# KiCad board Panel.kicad_pcb (continued)
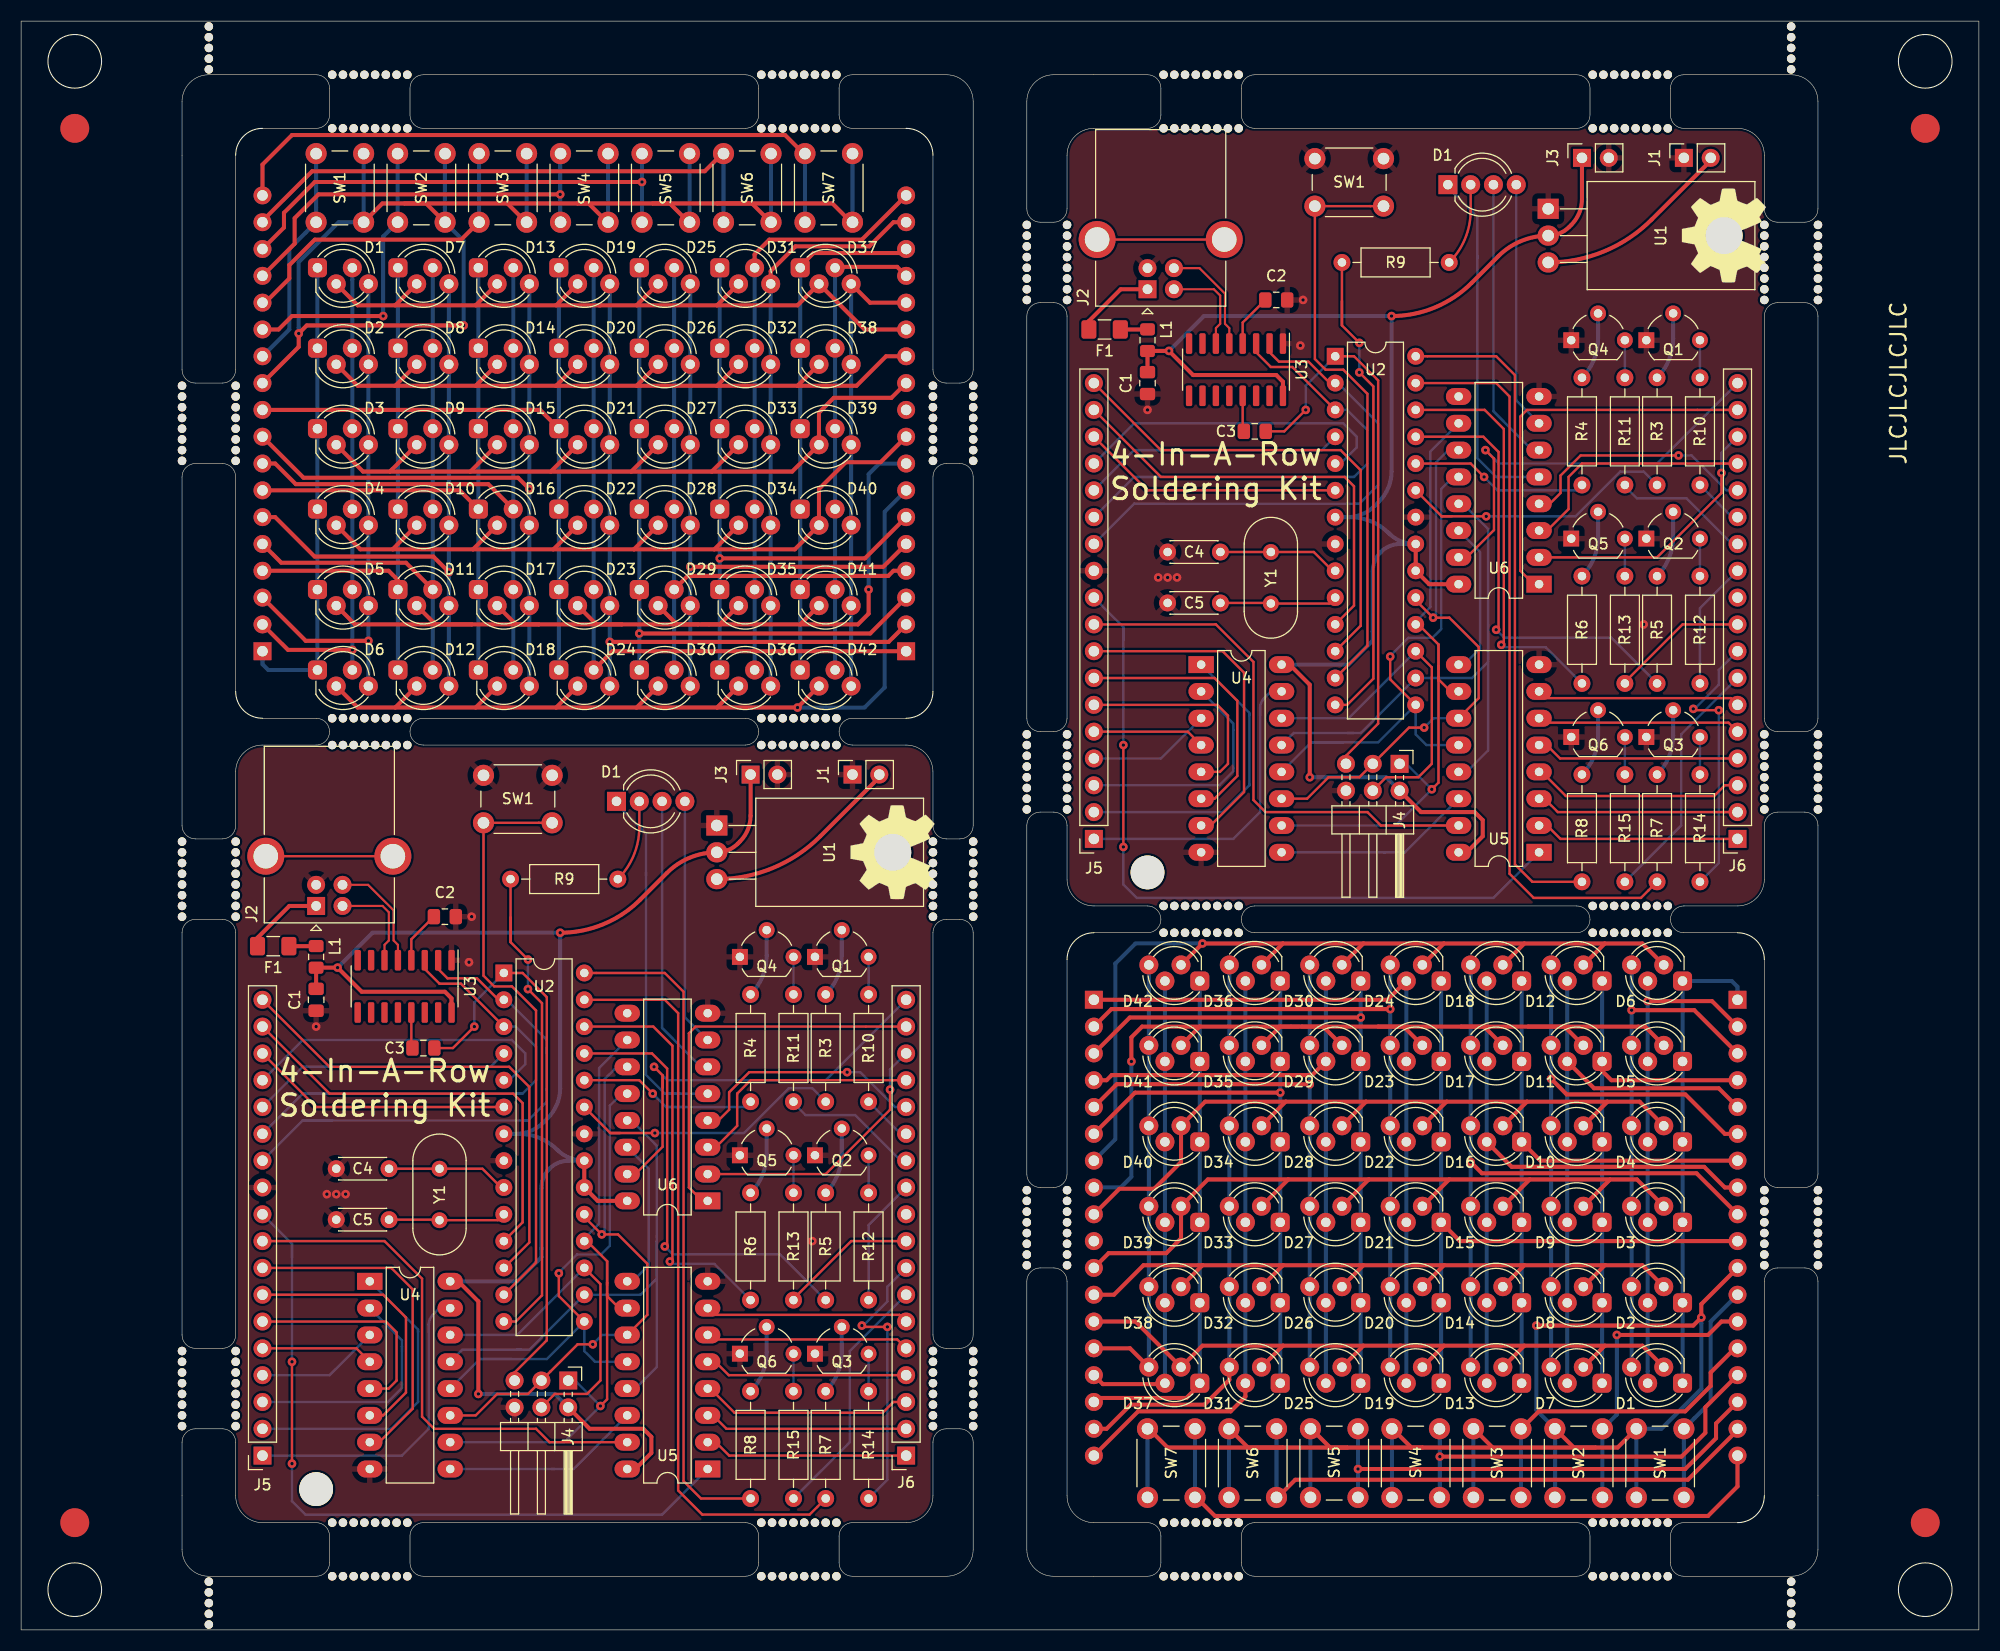
[diagram p0: board, top side]
## Placement (name value [footprint] x y rotation side) (continued)
REF**#142  -  [0.8mm-Drill]  15.24 74.68 90 top
REF**#143  -  [0.8mm-Drill]  113.28 147.32 0 top
REF**#144  -  [0.8mm-Drill]  75.18 10.16 0 top
REF**#145  -  [0.8mm-Drill]  73.15 147.32 0 top
REF**#146  -  [0.8mm-Drill]  70.1 86.36 0 top
REF**#147  -  [0.8mm-Drill]  74.17 5.08 0 top
REF**#148  -  [0.8mm-Drill]  86.36 74.68 90 top
REF**#149  -  [0.8mm-Drill]  30.48 5.08 0 top
REF**#150  -  [0.8mm-Drill]  111.25 66.04 0 top
REF**#151  -  [0.8mm-Drill]  150.88 10.16 0 top
REF**#152  -  [0.8mm-Drill]  154.94 5.08 0 top
REF**#153  -  [0.8mm-Drill]  111.25 68.58 0 top
REF**#154  -  [0.8mm-Drill]  111.25 147.32 0 top
REF**#155  -  [0.8mm-Drill]  114.3 10.16 0 top
REF**#156  -  [0.8mm-Drill]  113.28 68.58 0 top
REF**#157  -  [0.8mm-Drill]  75.18 147.32 0 top
REF**#158  -  [0.8mm-Drill]  20.32 23.37 90 top
REF**#159  -  [0.8mm-Drill]  170.18 125.98 90 top
REF**#160  -  [0.8mm-Drill]  149.86 5.08 0 top
REF**#161  -  [0.8mm-Drill]  72.14 83.82 0 top
REF**#162  -  [0.8mm-Drill]  99.06 80.77 90 top
REF**#163  -  [0.8mm-Drill]  90.17 24.38 90 top
REF**#164  -  [0.8mm-Drill]  76.2 86.36 0 top
REF**#165  -  [0.8mm-Drill]  165.1 125.98 90 top
REF**#166  -  [0.8mm-Drill]  15.24 117.86 90 top
REF**#167  -  [0.8mm-Drill]  31.5 86.36 0 top
REF**#168  -  [0.8mm-Drill]  33.53 10.16 0 top
REF**#169  -  [0.8mm-Drill]  165.1 34.54 90 top
REF**#170  -  [0.8mm-Drill]  70.1 147.32 0 top
REF**#171  -  [0.8mm-Drill]  86.36 115.82 90 top
REF**#172  -  [0.8mm-Drill]  99.06 131.06 90 top
REF**#173  -  [0.8mm-Drill]  15.24 19.3 90 top
REF**#174  -  [0.8mm-Drill]  112.27 5.08 0 top
REF**#175  -  [0.8mm-Drill]  36.58 86.36 0 top
REF**#176  -  [0.8mm-Drill]  151.89 5.08 0 top
REF**#177  -  [0.8mm-Drill]  155.96 68.58 0 top
REF**#178  -  [0.8mm-Drill]  30.48 83.82 0 top
REF**#179  -  [0.8mm-Drill]  115.32 66.04 0 top
REF**#180  -  [0.8mm-Drill]  20.32 70.61 90 top
REF**#181  -  [0.8mm-Drill]  165.1 130.05 90 top
REF**#182  -  [0.8mm-Drill]  148.84 66.04 0 top
REF**#183  -  [0.8mm-Drill]  20.32 110.74 90 top
REF**#184  -  [0.8mm-Drill]  148.84 5.08 0 top
REF**#185  -  [0.8mm-Drill]  110.24 68.58 0 top
REF**#186  -  [0.8mm-Drill]  36.58 83.82 0 top
REF**#187  -  [0.8mm-Drill]  95.25 133.1 90 top
REF**#188  -  [0.8mm-Drill]  20.32 113.79 90 top
REF**#189  -  [0.8mm-Drill]  95.25 83.82 90 top
REF**#190  -  [0.8mm-Drill]  35.56 142.24 0 top
REF**#191  -  [0.8mm-Drill]  99.06 36.58 90 top
REF**#192  -  [0.8mm-Drill]  165.1 38.61 90 top
REF**#193  -  [0.8mm-Drill]  99.06 78.74 90 top
REF**#194  -  [0.8mm-Drill]  20.32 111.76 90 top
REF**#195  -  [0.8mm-Drill]  95.25 41.66 90 top
REF**#196  -  [0.8mm-Drill]  155.96 66.04 0 top
REF**#197  -  [0.8mm-Drill]  71.12 142.24 0 top
REF**#198  -  [0.8mm-Drill]  77.22 5.08 0 top
REF**#199  -  [0.8mm-Drill]  115.32 10.16 0 top
REF**#200  -  [0.8mm-Drill]  170.18 39.62 90 top
REF**#201  -  [0.8mm-Drill]  150.88 5.08 0 top
REF**#202  -  [0.8mm-Drill]  148.84 68.58 0 top
REF**#203  -  [0.8mm-Drill]  70.1 5.08 0 top
REF**#204  -  [0.8mm-Drill]  170.18 84.84 90 top
REF**#205  -  [0.8mm-Drill]  108.2 68.58 0 top
REF**#206  -  [0.8mm-Drill]  20.32 25.4 90 top
REF**#207  -  [0.8mm-Drill]  15.24 114.81 90 top
REF**#208  -  [0.8mm-Drill]  72.14 86.36 0 top
REF**#209  -  [0.8mm-Drill]  112.27 68.58 0 top
REF**#210  -  [0.8mm-Drill]  15.24 67.56 90 top
REF**#211  -  [0.8mm-Drill]  170.18 82.8 90 top
REF**#212  -  [0.8mm-Drill]  114.3 142.24 0 top
REF**#213  -  [0.8mm-Drill]  86.36 24.38 90 top
REF**#214  -  [0.8mm-Drill]  76.2 147.32 0 top
REF**#215  -  [0.8mm-Drill]  99.06 38.61 90 top
REF**#216  -  [0.8mm-Drill]  154.94 142.24 0 top
REF**#217  -  [0.8mm-Drill]  165.1 40.64 90 top
REF**#218  -  [0.8mm-Drill]  95.25 77.72 90 top
REF**#219  -  [0.8mm-Drill]  31.5 147.32 0 top
REF**#220  -  [0.8mm-Drill]  148.84 142.24 0 top
REF**#221  -  [0.8mm-Drill]  90.17 70.61 90 top
REF**#222  -  [0.8mm-Drill]  90.17 72.64 90 top
REF**#223  -  [0.8mm-Drill]  86.36 67.56 90 top
REF**#224  -  [0.8mm-Drill]  149.86 142.24 0 top
REF**#225  -  [0.8mm-Drill]  110.24 147.32 0 top
REF**#226  -  [0.8mm-Drill]  95.25 40.64 90 top
REF**#227  -  [0.8mm-Drill]  153.92 147.32 0 top
REF**#228  -  [0.8mm-Drill]  150.88 68.58 0 top
REF**#229  -  [0.8mm-Drill]  108.2 147.32 0 top
REF**#230  -  [0.8mm-Drill]  170.18 35.56 90 top
REF**#231  -  [0.8mm-Drill]  152.91 147.32 0 top
REF**#232  -  [0.8mm-Drill]  34.54 5.08 0 top
REF**#233  -  [0.8mm-Drill]  113.28 66.04 0 top
REF**#234  -  [0.8mm-Drill]  15.24 69.6 90 top
REF**#235  -  [0.8mm-Drill]  15.24 110.74 90 top
REF**#236  -  [0.8mm-Drill]  20.32 67.56 90 top
REF**#237  -  [0.8mm-Drill]  90.17 20.32 90 top
REF**#238  -  [0.8mm-Drill]  99.06 128.02 90 top
REF**#239  -  [0.8mm-Drill]  148.84 147.32 0 top
REF**#240  -  [0.8mm-Drill]  15.24 71.63 90 top
REF**#241  -  [0.8mm-Drill]  151.89 66.04 0 top
REF**#242  -  [0.8mm-Drill]  114.3 66.04 0 top
REF**#243  -  [0.8mm-Drill]  20.32 24.38 90 top
REF**#244  -  [0.8mm-Drill]  90.17 71.63 90 top
REF**#245  -  [0.8mm-Drill]  153.92 66.04 0 top
REF**#246  -  [0.8mm-Drill]  170.18 78.74 90 top
REF**#247  -  [0.8mm-Drill]  165.1 81.79 90 top
REF**#248  -  [0.8mm-Drill]  90.17 114.81 90 top
REF**#249  -  [0.8mm-Drill]  29.46 147.32 0 top
REF**#250  -  [0.8mm-Drill]  20.32 73.66 90 top
REF**#251  -  [0.8mm-Drill]  165.1 78.74 90 top
REF**#252  -  [0.8mm-Drill]  165.1 84.84 90 top
REF**#253  -  [0.8mm-Drill]  108.2 142.24 0 top
REF**#254  -  [0.8mm-Drill]  20.32 21.34 90 top
REF**#255  -  [0.8mm-Drill]  99.06 84.84 90 top
REF**#256  -  [0.8mm-Drill]  165.1 77.72 90 top
REF**#257  -  [0.8mm-Drill]  115.32 142.24 0 top
REF**#258  -  [0.8mm-Drill]  20.32 20.32 90 top
REF**#259  -  [0.8mm-Drill]  86.36 116.84 90 top
REF**#260  -  [0.8mm-Drill]  170.18 77.72 90 top
REF**#261  -  [0.8mm-Drill]  99.06 81.79 90 top
REF**#262  -  [0.8mm-Drill]  95.25 80.77 90 top
REF**#263  -  [0.8mm-Drill]  29.46 83.82 0 top
REF**#264  -  [0.8mm-Drill]  90.17 117.86 90 top
REF**#265  -  [0.8mm-Drill]  170.18 131.06 90 top
REF**#266  -  [0.8mm-Drill]  74.17 10.16 0 top
REF**#267  -  [0.8mm-Drill]  154.94 68.58 0 top
REF**#268  -  [0.8mm-Drill]  76.2 5.08 0 top
REF**#269  -  [0.8mm-Drill]  20.32 115.82 90 top
REF**#270  -  [0.8mm-Drill]  95.25 132.08 90 top
REF**#271  -  [0.8mm-Drill]  15.24 68.58 90 top
REF**#272  -  [0.8mm-Drill]  15.24 24.38 90 top
REF**#273  -  [0.8mm-Drill]  95.25 84.84 90 top
REF**#274  -  [0.8mm-Drill]  75.18 5.08 0 top
REF**#275  -  [0.8mm-Drill]  20.32 72.64 90 top
REF**#276  -  [0.8mm-Drill]  33.53 86.36 0 top
REF**#277  -  [0.8mm-Drill]  71.12 86.36 0 top
REF**#278  -  [0.8mm-Drill]  152.91 66.04 0 top
REF**#279  -  [0.8mm-Drill]  149.86 68.58 0 top
REF**#280  -  [0.8mm-Drill]  165.1 83.82 90 top
REF**#281  -  [0.8mm-Drill]  86.36 21.34 90 top
REF**#282  -  [0.8mm-Drill]  99.06 77.72 90 top
REF**#283  -  [0.8mm-Drill]  29.46 142.24 0 top
REF**#284  -  [0.8mm-Drill]  111.25 142.24 0 top
REF**#285  -  [0.8mm-Drill]  109.22 5.08 0 top
REF**#286  -  [0.8mm-Drill]  110.24 5.08 0 top
REF**#287  -  [0.8mm-Drill]  34.54 83.82 0 top
REF**#288  -  [0.8mm-Drill]  153.92 68.58 0 top
REF**#289  -  [0.8mm-Drill]  114.3 5.08 0 top
REF**#290  -  [0.8mm-Drill]  170.18 127 90 top
REF**#291  -  [0.8mm-Drill]  31.5 5.08 0 top
REF**#292  -  [0.8mm-Drill]  86.36 68.58 90 top
REF**#293  -  [0.8mm-Drill]  154.94 147.32 0 top
REF**#294  -  [0.8mm-Drill]  151.89 142.24 0 top
REF**#295  -  [0.8mm-Drill]  34.54 147.32 0 top
REF**#296  -  [0.8mm-Drill]  73.15 142.24 0 top
REF**#297  -  [0.8mm-Drill]  152.91 142.24 0 top
REF**#298  -  [0.8mm-Drill]  90.17 68.58 90 top
REF**#299  -  [0.8mm-Drill]  15.24 116.84 90 top
REF**#300  -  [0.8mm-Drill]  112.27 66.04 0 top
REF**#301  -  [0.8mm-Drill]  86.36 69.6 90 top
REF**#302  -  [0.8mm-Drill]  149.86 10.16 0 top
REF**#303  -  [0.8mm-Drill]  170.18 79.76 90 top
REF**#304  -  [0.8mm-Drill]  99.06 39.62 90 top
REF**#305  -  [0.8mm-Drill]  99.06 125.98 90 top
REF**#306  -  [0.8mm-Drill]  112.27 147.32 0 top
REF**#307  -  [0.8mm-Drill]  86.36 20.32 90 top
REF**#308  -  [0.8mm-Drill]  108.2 10.16 0 top
REF**#309  -  [0.8mm-Drill]  90.17 23.37 90 top
REF**#310  -  [0.8mm-Drill]  31.5 83.82 0 top
REF**#311  -  [0.8mm-Drill]  90.17 73.66 90 top
REF**#312  -  [0.8mm-Drill]  149.86 147.32 0 top
REF**#313  -  [0.8mm-Drill]  20.32 71.63 90 top
REF**#314  -  [0.8mm-Drill]  150.88 142.24 0 top
REF**#315  -  [0.8mm-Drill]  15.24 113.79 90 top
REF**#316  -  [0.8mm-Drill]  95.25 36.58 90 top
REF**#317  -  [0.8mm-Drill]  90.17 74.68 90 top
REF**#318  -  [0.8mm-Drill]  20.32 19.3 90 top
REF**#319  -  [0.8mm-Drill]  170.18 41.66 90 top
REF**#320  -  [0.8mm-Drill]  30.48 147.32 0 top
REF**#321  -  [0.8mm-Drill]  86.36 112.78 90 top
REF**#322  -  [0.8mm-Drill]  15.24 112.78 90 top
REF**#323  -  [0.8mm-Drill]  170.18 81.79 90 top
REF**#324  -  [0.8mm-Drill]  32.51 86.36 0 top
REF**#325  -  [0.8mm-Drill]  15.24 21.34 90 top
REF**#326  -  [0.8mm-Drill]  165.1 131.06 90 top
REF**#327  -  [0.8mm-Drill]  20.32 116.84 90 top
REF**#328  -  [0.8mm-Drill]  153.92 10.16 0 top
REF**#329  -  [0.8mm-Drill]  75.18 142.24 0 top
REF**#330  -  [0.8mm-Drill]  151.89 147.32 0 top
REF**#331  -  [0.8mm-Drill]  86.36 110.74 90 top
REF**#332  -  [0.8mm-Drill]  75.18 83.82 0 top
REF**#333  -  [0.8mm-Drill]  76.2 83.82 0 top
REF**#334  -  [0.8mm-Drill]  76.2 10.16 0 top
REF**#335  -  [0.8mm-Drill]  165.1 133.1 90 top
REF**#336  -  [0.8mm-Drill]  15.24 25.4 90 top
REF**#337  -  [0.8mm-Drill]  170.18 132.08 90 top
REF**#338  -  [0.8mm-Drill]  72.14 5.08 0 top
REF**#339  -  [0.8mm-Drill]  99.06 35.56 90 top
REF**#340  -  [0.8mm-Drill]  29.46 86.36 0 top
REF**#341  -  [0.8mm-Drill]  20.32 112.78 90 top
REF**#342  -  [0.8mm-Drill]  35.56 5.08 0 top
REF**#343  -  [0.8mm-Drill]  15.24 20.32 90 top
REF**#344  -  [0.8mm-Drill]  73.15 83.82 0 top
REF**#345  -  [0.8mm-Drill]  99.06 79.76 90 top
REF**#346  -  [0.8mm-Drill]  77.22 147.32 0 top
REF**#347  -  [0.8mm-Drill]  165.1 80.77 90 top
REF**#348  -  [0.8mm-Drill]  113.28 142.24 0 top
REF**#349  -  [0.8mm-Drill]  86.36 71.63 90 top
REF**#350  -  [0.8mm-Drill]  90.17 22.35 90 top
REF**#351  -  [0.8mm-Drill]  154.94 10.16 0 top
REF**#352  -  [0.8mm-Drill]  33.53 83.82 0 top
REF**#353  -  [0.8mm-Drill]  150.88 66.04 0 top
REF**#354  -  [0.8mm-Drill]  155.96 147.32 0 top
REF**#355  -  [0.8mm-Drill]  36.58 142.24 0 top
REF**#356  -  [0.8mm-Drill]  165.1 79.76 90 top
REF**#357  -  [0.8mm-Drill]  15.24 23.37 90 top
REF**#358  -  [0.8mm-Drill]  34.54 86.36 0 top
REF**#359  -  [0.8mm-Drill]  15.24 72.64 90 top
REF**#360  -  [0.8mm-Drill]  30.48 86.36 0 top
REF**#361  -  [0.8mm-Drill]  115.32 5.08 0 top
REF**#362  -  [0.8mm-Drill]  33.53 147.32 0 top
REF**#363  -  [0.8mm-Drill]  86.36 26.42 90 top
REF**#364  -  [0.8mm-Drill]  165.1 37.59 90 top
REF**#365  -  [0.8mm-Drill]  95.25 35.56 90 top
REF**#366  -  [0.8mm-Drill]  170.18 37.59 90 top
REF**#367  -  [0.8mm-Drill]  72.14 147.32 0 top
REF**#368  -  [0.8mm-Drill]  33.53 142.24 0 top
REF**#369  -  [0.8mm-Drill]  170.18 129.03 90 top
REF**#370  -  [0.8mm-Drill]  170.18 80.77 90 top
REF**#371  -  [0.8mm-Drill]  112.27 10.16 0 top
REF**#372  -  [0.8mm-Drill]  20.32 74.68 90 top
REF**#373  -  [0.8mm-Drill]  165.1 128.02 90 top
REF**#374  -  [0.8mm-Drill]  29.46 10.16 0 top
REF**#375  -  [0.8mm-Drill]  95.25 38.61 90 top
REF**#376  -  [0.8mm-Drill]  99.06 130.05 90 top
REF**#377  -  [0.8mm-Drill]  15.24 111.76 90 top
REF**#378  -  [0.8mm-Drill]  170.18 36.58 90 top
REF**#379  -  [0.8mm-Drill]  76.2 142.24 0 top
REF**#380  -  [0.8mm-Drill]  150.88 147.32 0 top
REF**#381  -  [0.8mm-Drill]  95.25 129.03 90 top
REF**#382  -  [0.8mm-Drill]  71.12 147.32 0 top
REF**#383  -  [0.8mm-Drill]  34.54 10.16 0 top
REF**#384  -  [0.8mm-Drill]  99.06 133.1 90 top
REF**#385  -  [0.8mm-Drill]  165.1 82.8 90 top
REF**#386  -  [0.8mm-Drill]  95.25 130.05 90 top
SW1  SW_SPST  [SW_PUSH_6mm_H5mm]  129.03 134.87 180 top
SW1#2  SW_SPST  [SW_PUSH_6mm_H5mm]  50.29 76.45 180 top
SW1#3  SW_Push  [SW_PUSH_6mm_H8mm]  157.48 19.05 270 top
SW1#4  SW_Push  [SW_PUSH_6mm_H8mm]  27.94 133.35 90 top
SW2  SW_Push  [SW_PUSH_6mm_H8mm]  149.76 19.05 270 top
SW2#2  SW_Push  [SW_PUSH_6mm_H8mm]  35.66 133.35 90 top
SW3  SW_Push  [SW_PUSH_6mm_H8mm]  142.05 19.05 270 top
SW3#2  SW_Push  [SW_PUSH_6mm_H8mm]  43.37 133.35 90 top
SW4  SW_Push  [SW_PUSH_6mm_H8mm]  51.09 133.35 90 top
SW4#2  SW_Push  [SW_PUSH_6mm_H8mm]  134.33 19.05 270 top
SW5  SW_Push  [SW_PUSH_6mm_H8mm]  58.81 133.35 90 top
SW5#2  SW_Push  [SW_PUSH_6mm_H8mm]  126.61 19.05 270 top
SW6  SW_Push  [SW_PUSH_6mm_H8mm]  118.9 19.05 270 top
SW6#2  SW_Push  [SW_PUSH_6mm_H8mm]  66.52 133.35 90 top
SW7  SW_Push  [SW_PUSH_6mm_H8mm]  74.24 133.35 90 top
SW7#2  SW_Push  [SW_PUSH_6mm_H8mm]  111.18 19.05 270 top
U1  AZ1117-5.0  [TO-220-3_Horizontal_TabDown]  144.63 134.62 270 top
U1#2  AZ1117-5.0  [TO-220-3_Horizontal_TabDown]  65.89 76.2 270 top
U2  ATmega328P-P  [DIP-28_W7.62mm]  45.72 62.23 0 top
U2#2  ATmega328P-P  [DIP-28_W7.62mm]  124.46 120.65 0 top
U3  CH340C  [SOIC-16_3.9x9.9mm_P1.27mm]  115.06 119.38 270 top
U3#2  CH340C  [SOIC-16_3.9x9.9mm_P1.27mm]  36.32 60.96 270 top
U4  74HC595  [DIP-16_W7.62mm_LongPads]  111.76 91.44 0 top
U4#2  74HC595  [DIP-16_W7.62mm_LongPads]  33.02 33.02 0 top
U5  74HC595  [DIP-16_W7.62mm_LongPads]  65.02 15.24 180 top
U5#2  74HC595  [DIP-16_W7.62mm_LongPads]  143.76 73.66 180 top
U6  74HC595  [DIP-16_W7.62mm_LongPads]  143.76 99.06 180 top
U6#2  74HC595  [DIP-16_W7.62mm_LongPads]  65.02 40.64 180 top
Y1  16 Mhz  [Crystal_HC49-4H_Vertical]  118.36 102.11 270 top
Y1#2  16 Mhz  [Crystal_HC49-4H_Vertical]  39.62 43.69 270 top

## Footprints (pads in the part's own frame, mm; a bottom-side part is the same pattern mirrored in y, then rotated)
0.8mm-Drill
  round 0.8 hole 0.8 unplated: (0,0)
C_0805_2012Metric_Pad1.18x1.45mm_HandSolder
  rrect 1.175x1.45 smd: 1(-1.038,0) 2(1.038,0)
C_Disc_D4.3mm_W1.9mm_P5.00mm
  round 1.6 hole 0.8: 1(0,0) 2(5,0)
Crystal_HC49-4H_Vertical
  round 1.5 hole 0.8: 1(0,0) 2(4.88,0)
DIP-16_W7.62mm_LongPads
  rect 2.4x1.6 hole 0.8: 1(0,0)
  oval 2.4x1.6 hole 0.8: 2(0,-2.54) 3(0,-5.08) 4(0,-7.62) 5(0,-10.16) 6(0,-12.7) 7(0,-15.24) 8(0,-17.78) 9(7.62,-17.78) 10(7.62,-15.24) 11(7.62,-12.7) 12(7.62,-10.16) 13(7.62,-7.62) 14(7.62,-5.08) 15(7.62,-2.54) 16(7.62,0)
DIP-28_W7.62mm
  rect 1.6x1.6 hole 0.8: 1(0,0)
  oval 1.6x1.6 hole 0.8: 2(0,-2.54) 3(0,-5.08) 4(0,-7.62) 5(0,-10.16) 6(0,-12.7) 7(0,-15.24) 8(0,-17.78) 9(0,-20.32) 10(0,-22.86) 11(0,-25.4) 12(0,-27.94) 13(0,-30.48) 14(0,-33.02) 15(7.62,-33.02) 16(7.62,-30.48) 17(7.62,-27.94) 18(7.62,-25.4) 19(7.62,-22.86) 20(7.62,-20.32) 21(7.62,-17.78) 22(7.62,-15.24) 23(7.62,-12.7) 24(7.62,-10.16) 25(7.62,-7.62) 26(7.62,-5.08) 27(7.62,-2.54) 28(7.62,0)
Fuse_1206_3216Metric_Pad1.42x1.75mm_HandSolder
  rrect 1.425x1.75 smd: 1(-1.488,0) 2(1.488,0)
L_0805_2012Metric_Pad1.15x1.40mm_HandSolder
  rrect 1.15x1.4 smd: 1(-1.025,0) 2(1.025,0)
LED_D5.0mm-4_RGB_Staggered_Pins
  rrect 1.8x1.8 hole 0.9: 1(0,0)
  round 1.8 hole 0.9: 2(1.778,-1.524) 3(3.302,0) 4(4.826,-1.524)
LED_D5.0mm-4_RGB_Wide_Pins
  rect 1.8x1.8 hole 0.9: 1(0,0)
  round 1.8 hole 0.9: 2(2.159,0) 3(4.318,0) 4(6.477,0)
MountingHole_3.2mm_M3_DIN965
  round 3.2 hole 3.2 unplated: (0,0)
PinHeader_1x18_P2.54mm_Vertical
  rect 1.7x1.7 hole 1: 1(0,0)
  oval 1.7x1.7 hole 1: 2(0,-2.54) 3(0,-5.08) 4(0,-7.62) 5(0,-10.16) 6(0,-12.7) 7(0,-15.24) 8(0,-17.78) 9(0,-20.32) 10(0,-22.86) 11(0,-25.4) 12(0,-27.94) 13(0,-30.48) 14(0,-33.02) 15(0,-35.56) 16(0,-38.1) 17(0,-40.64) 18(0,-43.18)
PinHeader_2x03_P2.54mm_Horizontal
  rect 1.7x1.7 hole 1: 1(0,0)
  oval 1.7x1.7 hole 1: 2(2.54,0) 3(0,-2.54) 4(2.54,-2.54) 5(0,-5.08) 6(2.54,-5.08)
PinSocket_1x02_P2.54mm_Vertical
  rect 1.7x1.7 hole 1: 1(0,0)
  oval 1.7x1.7 hole 1: 2(0,-2.54)
PinSocket_1x18_P2.54mm_Vertical
  rect 1.7x1.7 hole 1: 1(0,0)
  oval 1.7x1.7 hole 1: 2(0,-2.54) 3(0,-5.08) 4(0,-7.62) 5(0,-10.16) 6(0,-12.7) 7(0,-15.24) 8(0,-17.78) 9(0,-20.32) 10(0,-22.86) 11(0,-25.4) 12(0,-27.94) 13(0,-30.48) 14(0,-33.02) 15(0,-35.56) 16(0,-38.1) 17(0,-40.64) 18(0,-43.18)
R_Axial_DIN0207_L6.3mm_D2.5mm_P10.16mm_Horizontal
  round 1.6 hole 0.8: 1(0,0)
  oval 1.6x1.6 hole 0.8: 2(10.16,0)
SOIC-16_3.9x9.9mm_P1.27mm
  rrect 1.95x0.6 smd: 1(-2.475,4.445) 2(-2.475,3.175) 3(-2.475,1.905) 4(-2.475,0.635) 5(-2.475,-0.635) 6(-2.475,-1.905) 7(-2.475,-3.175) 8(-2.475,-4.445) 9(2.475,-4.445) 10(2.475,-3.175) 11(2.475,-1.905) 12(2.475,-0.635) 13(2.475,0.635) 14(2.475,1.905) 15(2.475,3.175) 16(2.475,4.445)
SW_PUSH_6mm_H5mm
  round 2 hole 1.1: 1(0,0) 1(6.5,0) 2(0,-4.5) 2(6.5,-4.5)
SW_PUSH_6mm_H8mm
  round 2 hole 1.1: 1(0,0) 1(6.5,0) 2(0,-4.5) 2(6.5,-4.5)
TO-92_Wide
  rect 1.5x1.5 hole 0.8: 1(0,0)
  round 1.5 hole 0.8: 2(2.54,2.54) 3(5.08,0)
TO-220-3_Horizontal_TabDown
  oval 3.5x3.5 hole 3.5 unplated: (2.54,16.66)
  rect 1.905x2 hole 1.1: 1(0,0)
  oval 1.905x2 hole 1.1: 2(2.54,0) 3(5.08,0)
unnamed
  round 0.8 hole 0.8 unplated: (0,0)
USB_B_OST_USB-B1HSxx_Horizontal
  rect 1.7x1.7 hole 0.92: 1(0,0)
  round 1.7 hole 0.92: 2(0,-2.5) 3(2,-2.5) 4(2,0)
  round 3.5 hole 2.33: 5(4.71,4.77) 5(4.71,-7.27)

## Nets
GND: C1.2 C1#2.2 C2.2 C2#2.2 C4.1 C4#2.1 C5.1 C5#2.1 J1.1 J1#2.1 J2.4 J2#2.4 J3.2 J3#2.2 J4.6 J4#2.6 J5.11 J5#2.11 Q1.1 Q1#2.1 Q2.1 Q2#2.1 Q3.1 Q3#2.1 Q4.1 Q4#2.1 Q5.1 Q5#2.1 Q6.1 Q6#2.1 SW1.2 SW1#2.2 U1.1 U1#2.1 U2.8 U2.22 U2#2.8 U2#2.22 U3.1 U3#2.1 U4.8 U4#2.8 U5.8 U5#2.8 U6.8 U6#2.8
VCC: C1.1 C1#2.1 J3.1 J3#2.1 J4.2 J4#2.2 L1.1 L1#2.1 U1.2 U1#2.2 U2.7 U2.20 U2.21 U2#2.7 U2#2.20 U2#2.21 U3.16 U3#2.16 U4.16 U4#2.16 U5.16 U5#2.16 U6.16 U6#2.16
/C1B: D1#2.4 D1#4.4 D2.4 D2#2.4 D3.4 D3#2.4 D4.4 D4#2.4 D5.4 D5#2.4 D6.4 D6#2.4 J1#3.3 J1#4.3 J5.3 J5#2.3 U4.2 U4#2.2
/C1G: D1#2.3 D1#4.3 D2.3 D2#2.3 D3.3 D3#2.3 D4.3 D4#2.3 D5.3 D5#2.3 D6.3 D6#2.3 J1#3.2 J1#4.2 J5.2 J5#2.2 U4.1 U4#2.1
/C1R: D1#2.1 D1#4.1 D2.1 D2#2.1 D3.1 D3#2.1 D4.1 D4#2.1 D5.1 D5#2.1 D6.1 D6#2.1 J1#3.1 J1#4.1 J5.1 J5#2.1 U4.15 U4#2.15
/C2B: D7.4 D7#2.4 D8.4 D8#2.4 D9.4 D9#2.4 D10.4 D10#2.4 D11.4 D11#2.4 D12.4 D12#2.4 J1#3.6 J1#4.6 J5.6 J5#2.6 U4.5 U4#2.5
/C2G: D7.3 D7#2.3 D8.3 D8#2.3 D9.3 D9#2.3 D10.3 D10#2.3 D11.3 D11#2.3 D12.3 D12#2.3 J1#3.5 J1#4.5 J5.5 J5#2.5 U4.4 U4#2.4
/C2R: D7.1 D7#2.1 D8.1 D8#2.1 D9.1 D9#2.1 D10.1 D10#2.1 D11.1 D11#2.1 D12.1 D12#2.1 J1#3.4 J1#4.4 J5.4 J5#2.4 U4.3 U4#2.3
/C3B: D13.4 D13#2.4 D14.4 D14#2.4 D15.4 D15#2.4 D16.4 D16#2.4 D17.4 D17#2.4 D18.4 D18#2.4 J1#3.9 J1#4.9 J5.9 J5#2.9 U5.15 U5#2.15
/C3G: D13.3 D13#2.3 D14.3 D14#2.3 D15.3 D15#2.3 D16.3 D16#2.3 D17.3 D17#2.3 D18.3 D18#2.3 J1#3.8 J1#4.8 J5.8 J5#2.8 U4.7 U4#2.7
/C3R: D13.1 D13#2.1 D14.1 D14#2.1 D15.1 D15#2.1 D16.1 D16#2.1 D17.1 D17#2.1 D18.1 D18#2.1 J1#3.7 J1#4.7 J5.7 J5#2.7 U4.6 U4#2.6
/C4B: D19.4 D19#2.4 D20.4 D20#2.4 D21.4 D21#2.4 D22.4 D22#2.4 D23.4 D23#2.4 D24.4 D24#2.4 J2#3.2 J2#4.2 J6.2 J6#2.2 U5.3 U5#2.3
/C4G: D19.3 D19#2.3 D20.3 D20#2.3 D21.3 D21#2.3 D22.3 D22#2.3 D23.3 D23#2.3 D24.3 D24#2.3 J2#3.1 J2#4.1 J6.1 J6#2.1 U5.2 U5#2.2
/C4R: D19.1 D19#2.1 D20.1 D20#2.1 D21.1 D21#2.1 D22.1 D22#2.1 D23.1 D23#2.1 D24.1 D24#2.1 J1#3.10 J1#4.10 J5.10 J5#2.10 U5.1 U5#2.1
/C5B: D25.4 D25#2.4 D26.4 D26#2.4 D27.4 D27#2.4 D28.4 D28#2.4 D29.4 D29#2.4 D30.4 D30#2.4 J2#3.5 J2#4.5 J6.5 J6#2.5 U5.6 U5#2.6
/C5G: D25.3 D25#2.3 D26.3 D26#2.3 D27.3 D27#2.3 D28.3 D28#2.3 D29.3 D29#2.3 D30.3 D30#2.3 J2#3.4 J2#4.4 J6.4 J6#2.4 U5.5 U5#2.5
/C5R: D25.1 D25#2.1 D26.1 D26#2.1 D27.1 D27#2.1 D28.1 D28#2.1 D29.1 D29#2.1 D30.1 D30#2.1 J2#3.3 J2#4.3 J6.3 J6#2.3 U5.4 U5#2.4
/C6B: D31.4 D31#2.4 D32.4 D32#2.4 D33.4 D33#2.4 D34.4 D34#2.4 D35.4 D35#2.4 D36.4 D36#2.4 J2#3.17 J2#4.17 J6.17 J6#2.17 U6.1 U6#2.1
/C6G: D31.3 D31#2.3 D32.3 D32#2.3 D33.3 D33#2.3 D34.3 D34#2.3 D35.3 D35#2.3 D36.3 D36#2.3 J2#3.18 J2#4.18 J6.18 J6#2.18 U6.15 U6#2.15
/C6R: D31.1 D31#2.1 D32.1 D32#2.1 D33.1 D33#2.1 D34.1 D34#2.1 D35.1 D35#2.1 D36.1 D36#2.1 J2#3.6 J2#4.6 J6.6 J6#2.6 U5.7 U5#2.7
/C7B: D37.4 D37#2.4 D38.4 D38#2.4 D39.4 D39#2.4 D40.4 D40#2.4 D41.4 D41#2.4 D42.4 D42#2.4 J2#3.14 J2#4.14 J6.14 J6#2.14 U6.4 U6#2.4
/C7G: D37.3 D37#2.3 D38.3 D38#2.3 D39.3 D39#2.3 D40.3 D40#2.3 D41.3 D41#2.3 D42.3 D42#2.3 J2#3.15 J2#4.15 J6.15 J6#2.15 U6.3 U6#2.3
/C7R: D37.1 D37#2.1 D38.1 D38#2.1 D39.1 D39#2.1 D40.1 D40#2.1 D41.1 D41#2.1 D42.1 D42#2.1 J2#3.16 J2#4.16 J6.16 J6#2.16 U6.2 U6#2.2
/D+: J2.3 J2#2.3 U3.5 U3#2.5
/D-: J2.2 J2#2.2 U3.6 U3#2.6
/R1: D1#2.2 D1#4.2 D7.2 D7#2.2 D13.2 D13#2.2 D19.2 D19#2.2 D25.2 D25#2.2 D31.2 D31#2.2 D37.2 D37#2.2 J2#3.13 J2#4.13 J6.13 J6#2.13 R10.1 R10#2.1
/R2: D2.2 D2#2.2 D8.2 D8#2.2 D14.2 D14#2.2 D20.2 D20#2.2 D26.2 D26#2.2 D32.2 D32#2.2 D38.2 D38#2.2 J2#3.12 J2#4.12 J6.12 J6#2.12 R11.1 R11#2.1
/R3: D3.2 D3#2.2 D9.2 D9#2.2 D15.2 D15#2.2 D21.2 D21#2.2 D27.2 D27#2.2 D33.2 D33#2.2 D39.2 D39#2.2 J2#3.11 J2#4.11 J6.11 J6#2.11 R12.1 R12#2.1
/R4: D4.2 D4#2.2 D10.2 D10#2.2 D16.2 D16#2.2 D22.2 D22#2.2 D28.2 D28#2.2 D34.2 D34#2.2 D40.2 D40#2.2 J2#3.9 J2#4.9 J6.9 J6#2.9 R13.1 R13#2.1
/R5: D5.2 D5#2.2 D11.2 D11#2.2 D17.2 D17#2.2 D23.2 D23#2.2 D29.2 D29#2.2 D35.2 D35#2.2 D41.2 D41#2.2 J2#3.8 J2#4.8 J6.8 J6#2.8 R14.1 R14#2.1
/R6: D6.2 D6#2.2 D12.2 D12#2.2 D18.2 D18#2.2 D24.2 D24#2.2 D30.2 D30#2.2 D36.2 D36#2.2 D42.2 D42#2.2 J2#3.7 J2#4.7 J6.7 J6#2.7 R15.1 R15#2.1
/SW_1: J1#3.12 J1#4.12 SW1#3.1 SW1#4.1
/SW_2: J1#3.13 J1#4.13 SW2.1 SW2#2.1
/SW_3: J1#3.14 J1#4.14 SW3.1 SW3#2.1
/SW_4: J1#3.15 J1#4.15 SW4.1 SW4#2.1
/SW_5: J1#3.16 J1#4.16 SW5.1 SW5#2.1
/SW_6: J1#3.17 J1#4.17 SW6.1 SW6#2.1
/SW_7: J1#3.18 J1#4.18 SW7.1 SW7#2.1
/SW_C: J1#3.11 J1#4.11 SW1#3.2 SW1#4.2 SW2.2 SW2#2.2 SW3.2 SW3#2.2 SW4.2 SW4#2.2 SW5.2 SW5#2.2 SW6.2 SW6#2.2 SW7.2 SW7#2.2
Button1: J5.12 J5#2.12 U2.2 U2#2.2 U3.2 U3#2.2
Button2: J5.13 J5#2.13 U2.3 U2#2.3 U3.3 U3#2.3
Button3: J5.14 J5#2.14 U2.4 U2#2.4
Button4: J5.15 J5#2.15 U2.5 U2#2.5
Button5: J5.16 J5#2.16 U2.6 U2#2.6
Button6: J5.17 J5#2.17 U2.11 U2#2.11
Button7: J5.18 J5#2.18 U2.12 U2#2.12
Button8: SW1.1 SW1#2.1 U2.13 U2#2.13
DATA: J4.4 J4#2.4 U2.17 U2#2.17 U4.14 U4#2.14
RCLK: U2.15 U2#2.15 U4.12 U4#2.12 U5.12 U5#2.12 U6.12 U6#2.12
Row1_Base: Q1.2 Q1#2.2 R3.1 R3#2.1
Row1_LEDs: Q1.3 Q1#2.3 R10.2 R10#2.2
Row2_Base: Q4.2 Q4#2.2 R4.1 R4#2.1
Row2_LEDs: Q4.3 Q4#2.3 R11.2 R11#2.2
Row3_Base: Q2.2 Q2#2.2 R5.1 R5#2.1
Row3_LEDs: Q2.3 Q2#2.3 R12.2 R12#2.2
Row4_Base: Q5.2 Q5#2.2 R6.1 R6#2.1
Row4_LEDs: Q5.3 Q5#2.3 R13.2 R13#2.2
Row5_Base: Q3.2 Q3#2.2 R7.1 R7#2.1
Row5_LEDs: Q3.3 Q3#2.3 R14.2 R14#2.2
Row6_Base: Q6.2 Q6#2.2 R8.1 R8#2.1
Row6_LEDs: Q6.3 Q6#2.3 R15.2 R15#2.2
SRCLK: J4.3 J4#2.3 U2.19 U2#2.19 U4.11 U4#2.11 U5.11 U5#2.11 U6.11 U6#2.11
Status_LED: D1.2 D1#3.2 R9.1 R9#2.1
XTAL1: C4.2 C4#2.2 U2.9 U2#2.9 Y1.1 Y1#2.1
XTAL2: C5.2 C5#2.2 U2.10 U2#2.10 Y1.2 Y1#2.2
~{OE}: U2.16 U2#2.16 U4.13 U4#2.13 U5.13 U5#2.13 U6.13 U6#2.13
~{RESET}: C3.1 C3#2.1 J4.5 J4#2.5 U2.1 U2#2.1
~{SRCLR}: J4.1 J4#2.1 U2.18 U2#2.18 U4.10 U4#2.10 U5.10 U5#2.10 U6.10 U6#2.10
Net-(C2-Pad1): C2.1 C2#2.1 U3.4 U3#2.4
Net-(C3-Pad2): C3.2 C3#2.2 U3.13 U3#2.13
Net-(D1-Pad1): D1.1 D1#3.1 U6.5 U6#2.5
Net-(D1-Pad3): D1.3 D1#3.3 U6.6 U6#2.6
Net-(D1-Pad4): D1.4 D1#3.4 U6.7 U6#2.7
Net-(F1-Pad1): F1.1 F1#2.1 L1.2 L1#2.2
Net-(F1-Pad2): F1.2 F1#2.2 J2.1 J2#2.1
Net-(J1-Pad2): J1.2 J1#2.2 U1.3 U1#2.3
Net-(R3-Pad2): R3.2 R3#2.2 U2.23 U2#2.23
Net-(R4-Pad2): R4.2 R4#2.2 U2.24 U2#2.24
Net-(R5-Pad2): R5.2 R5#2.2 U2.25 U2#2.25
Net-(R6-Pad2): R6.2 R6#2.2 U2.26 U2#2.26
Net-(R7-Pad2): R7.2 R7#2.2 U2.27 U2#2.27
Net-(R8-Pad2): R8.2 R8#2.2 U2.28 U2#2.28
Net-(R9-Pad2): R9.2 R9#2.2 U2.14 U2#2.14
Net-(U4-Pad9): U4.9 U4#2.9 U5.14 U5#2.14
Net-(U5-Pad9): U5.9 U5#2.9 U6.14 U6#2.14

Pads without a net: J2 5; J2#2 5; J2#3 10; J2#4 10; J6 10; J6#2 10; U3 7 8 9 10 11 12 14 15; U3#2 7 8 9 10 11 12 14 15; U6 9; U6#2 9

## Via types
v1: diameter 0.813, hole 0.33, Top to Bottom, 86 vias

## Routing (per net, layer and track width the routed paths; a pad name or vN(x,y) marks a point on that pad's centre or on a via; arc(x,y) is an arc through that point)
GND:
  vias: v1(27.94,57.15) v1(28.96,41.28) v1(29.84,41.28) v1(30.73,41.28) v1(42.42,63.25) v1(42.67,67.56) v1(74.93,36.83) v1(106.68,115.57) v1(107.7,99.69) v1(108.58,99.69) v1(109.47,99.69) v1(121.16,121.67) v1(121.41,125.98) v1(153.67,95.25)
VCC: length 321.9
  Top w0.381: U5#2.16 136.91,73.66 138.43,75.18 138.43,76.71 137.67,77.47 132.59,77.47 J4#2.2 ; U4#2.16 41.4,33.02 43.31,31.12 v1(43.31,22.35) ; J4.2 53.85,19.05 58.93,19.05 59.69,18.29 59.69,16.76 58.17,15.24 U5.16 ; U3#2.16 40.77,59.82 40.13,60.45 32.26,60.45 v1(29.97,62.74) 27.95,62.74 L1#2.1 C1#2.1 ; C1.1 L1.1 106.69,121.16 v1(108.71,121.16) 111,118.87 118.87,118.87 119.51,118.24 U3.16 ; J3#2.1 147.83,135.55 arc(147.56,134.22) 146.81,133.1 146.62,132.9 arc(145.71,132.29) U1.2 arc(142.07,131.57) 139.9,130.12 137.38,127.6 arc(133.9,125.28) v1(129.79,124.46) ; U2.21 U2.20 54.61,40.64 U6#2.16 ; U6.16 133.35,99.06 U2#2.20 U2#2.21 ; J3.1 69.09,77.13 arc(68.82,75.8) 68.07,74.68 67.88,74.48 arc(66.97,73.87) U1#2.2 arc(63.33,73.15) 61.16,71.7 58.64,69.18 arc(55.16,66.86) v1(51.05,66.04) ; U4.16 120.14,91.44 122.05,89.53 v1(122.05,80.77)
  Bottom w0.381: 128.02,94.53 128.02,100.27 arc(128.21,101.26) 128.78,102.11 ; 128.02,94.53 128.02,93.73 125.73,91.44 U4.16 ; 128.02,94.53 128.02,94.62 ; v1(122.05,80.77) 129.29,80.77 J4#2.2 ; v1(43.31,22.35) 50.55,22.35 J4.2 ; 49.28,36.11 49.28,41.85 arc(49.47,42.84) 50.04,43.69 ; 49.28,36.11 49.28,35.31 46.99,33.02 U4#2.16 ; 49.28,36.11 49.28,36.2 ; 50.94,45.33 50.8,45.47 ; 50.8,45.47 arc(49.11,46.59) 47.12,46.99 U2.7 46.86,46.99 arc(48.27,47.27) 49.47,48.07 49.89,48.49 arc(50.75,49.78) 51.05,51.31 v1(51.05,66.04) 33.27,66.04 v1(29.97,62.74) ; 50.8,45.47 arc(51.93,44.71) 53.25,44.45 U2.21 51.88,44.45 arc(50.88,44.25) 50.04,43.69 ; 129.68,103.75 129.54,103.89 ; 129.54,103.89 arc(130.67,103.13) 131.99,102.87 U2#2.21 130.62,102.87 arc(129.62,102.67) 128.78,102.11 ; 129.54,103.89 arc(127.85,105.01) 125.86,105.41 U2#2.7 125.6,105.41 arc(127.01,105.69) 128.21,106.49 128.63,106.91 arc(129.49,108.2) 129.79,109.73 v1(129.79,124.46) 112.01,124.46 v1(108.71,121.16) ; 128.66,101.99 128.78,102.11 ; 49.92,43.57 50.04,43.69
/C1B: length 146
  Top w0.381: v1(32.89,93.69) 26.96,93.69 J1#4.3 ; J1#3.3 158.46,58.71 v1(152.53,58.71)
  Bottom w0.229: 114.81,85.26 114.81,84.84 ; 114.81,85.26 114.81,85.85 U4.2 ; 114.81,85.26 114.81,81.6 ; 36.07,23.18 36.07,22.92 34.73,21.59 J5.3 ; 36.07,23.18 36.07,26.84 ; 36.07,23.18 36.07,23.37 ; 36.07,26.84 36.07,26.42 ; 36.07,26.84 36.07,27.43 U4#2.2 ; J5#2.3 113.47,80.01 114.81,81.34 114.81,81.6 ; 114.81,81.6 114.81,81.79
  Bottom w0.381: D6#2.4 D1#4.4 ; D6.4 D1#2.4
/C1G: length 153.9
  Top w0.381: v1(31.37,92.84) 25.27,92.84 J1#4.2 ; J1#3.2 160.15,59.56 v1(154.05,59.56)
  Bottom w0.229: 37.59,28.31 37.59,28.45 U4#2.1 ; 37.59,28.31 37.59,28.19 ; 37.59,28.31 37.59,21.59 ; J5#2.2 113.79,77.47 116.33,80.01 ; 116.33,86.73 116.33,86.61 ; 116.33,86.73 116.33,80.01 ; 116.33,86.73 116.33,86.87 U4.1 ; 37.59,21.59 37.59,21.73 ; 37.59,21.59 35.05,19.05 J5.2 ; 116.33,80.01 116.33,80.15
  Bottom w0.381: D1#2.3 v1(31.37,92.84) D6.3 ; D1#4.3 v1(154.05,59.56) D6#2.3
/C1R: length 150.2
  Bottom w0.229: J5.1 36.07,16.51 38.61,19.05 38.61,28.93 38.61,28.19 ; 117.73,88.27 118.36,88.9 U4.15 ; J5#2.1 114.81,74.93 117.35,77.47 117.35,87.35 117.35,86.61 ; 38.99,29.84 39.62,30.48 U4#2.15
  Bottom w0.25: 117.73,88.27 arc(117.45,87.84) 117.35,87.35 ; 38.99,29.84 arc(38.71,29.42) 38.61,28.93
  Bottom w0.381: D1#2.1 D6.1 23.41,90.93 22.86,91.48 J1#4.1 ; D1#4.1 D6#2.1 162.01,61.47 162.56,60.92 J1#3.1
/C2B: length 156.9
  Top w0.229: J5.6 34.54,29.21 35.56,28.19 35.56,23.62 34.8,22.86 U4#2.5 ; J5#2.6 113.28,87.63 114.3,86.61 114.3,82.04 113.54,81.28 U4.5
  Top w0.381: v1(144.91,52.2) 146.38,50.72 157.62,50.72 161.36,46.99 J1#3.6 ; J1#4.6 24.06,105.41 27.8,101.68 39.04,101.68 v1(40.51,100.2)
  Bottom w0.381: D12.4 v1(144.91,52.2) D7.4 ; D7#2.4 v1(40.51,100.2) D12#2.4
/C2G: length 133.4
  Top w0.229: U4#2.4 31.75,26.67 J5.5 ; U4.4 110.49,85.09 J5#2.5
  Top w0.381: D11#2.3 36.45,101.09 24.64,101.09 J1#4.5 ; D11.3 148.97,51.31 160.78,51.31 J1#3.5
  Bottom w0.381: D12#2.3 D7#2.3 ; D12.3 D7.3
/C2R: length 127.9
  Top w0.381: J1#4.4 34.81,100.33 35.69,99.45 D11#2.1 ; J1#3.4 150.61,52.07 149.73,52.95 D11.1
  Bottom w0.229: J5#2.4 107.95,82.55 U4.3 ; J5.4 29.21,24.13 U4#2.3
  Bottom w0.381: D7.1 D12.1 ; D7#2.1 D12#2.1
/C3B: length 231
  Top w0.229: J5#2.9 113.16,95.25 116.71,91.69 116.71,78.61 117.86,77.47 127.51,77.47 128.78,76.2 U5#2.15 ; U5.15 50.04,17.78 48.77,19.05 39.12,19.05 37.97,20.19 37.97,33.27 34.42,36.83 J5.9
  Top w0.381: J1#4.9 26.75,109.14 47.07,109.14 v1(48.13,108.08) ; J1#3.9 158.67,43.26 138.35,43.26 v1(137.29,44.32)
  Bottom w0.381: D18.4 v1(137.29,44.32) D13#2.4 ; D13.4 v1(48.13,108.08) D18#2.4
/C3G: length 190.8
  Top w0.229: U4#2.7 33.91,17.78 37.08,20.95 37.08,32.26 35.05,34.29 J5.8 ; U4.7 112.65,76.2 115.82,79.37 115.82,90.68 113.79,92.71 J5#2.8
  Top w0.381: 46.61,106.17 44.25,108.53 26.02,108.53 24.06,110.49 J1#4.8 ; D16#2.3 141.17,43.87 159.4,43.87 161.36,41.91 J1#3.8
  Bottom w0.381: 46.61,129.03 46.61,90.93 ; D13#2.3 D18.3
/C3R: length 170.4
  Top w0.229: J5#2.7 113.03,90.17 115.19,88.01 115.19,80.9 113.03,78.74 U4.6 ; J5.7 34.29,31.75 36.45,29.59 36.45,22.48 34.29,20.32 U4#2.6
  Top w0.381: J1#4.7 41.53,107.95 D16.1 ; D16#2.1 143.89,44.45 J1#3.7
  Bottom w0.381: D18.1 D13#2.1 ; D13.1 D18#2.1
/C4B: length 172.4
  Top w0.229: U5.3 65.53,20.32 66.8,19.05 J6.2 ; U5#2.3 144.27,78.74 145.54,77.47 J6#2.2
  Top w0.381: v1(129.67,58.8) 129.66,58.81 103.26,58.81 J2#3.2 ; v1(55.75,93.6) 55.76,93.59 82.16,93.59 J2#4.2
  Bottom w0.381: D19#2.4 v1(55.75,93.6) D24.4 ; D24#2.4 v1(129.67,58.8) D19.4
/C4G: length 175.5
  Top w0.229: J6#2.1 145.8,74.93 144.53,76.2 U5#2.2 ; U5.2 65.79,17.78 67.06,16.51 J6.1
  Top w0.381: J2#4.1 56.01,92.71 54.23,90.93 ; D24#2.3 129.41,59.69 J2#3.1
  Bottom w0.381: 54.23,129.03 54.23,90.93 ; D19.3 D24#2.3
/C4R: length 276.4
  Top w0.229: v1(25.65,25.4) v1(25.65,15.75) ; v1(104.39,83.82) v1(104.39,74.17)
  Top w0.381: D21#2.1 49.15,115.57 J1#4.10 ; D21.1 136.27,36.83 J1#3.10
  Bottom w0.229: 25.65,36.58 25.65,35.31 ; 25.65,36.58 v1(25.65,25.4) ; 25.65,36.58 J5.10 ; v1(25.65,15.75) 25.65,12.19 26.92,10.92 60.71,10.92 U5.1 ; 104.39,95 104.39,93.73 ; 104.39,95 v1(104.39,83.82) ; 104.39,95 J5#2.10 ; v1(104.39,74.17) 104.39,70.61 105.66,69.34 139.45,69.34 U5#2.1
  Bottom w0.381: D24.1 D19#2.1 ; D24#2.1 D19.1
/C5B: length 157.5
  Top w0.229: U5#2.6 144.18,85.94 161.71,85.94 J6#2.5 ; U5.6 65.44,27.52 82.97,27.52 J6.5
  Top w0.381: v1(122.05,51.69) 119.64,51.69 119.64,51.7 103.77,51.7 J2#3.5 ; J2#4.5 81.65,100.7 65.78,100.7 65.78,100.71 v1(63.37,100.71)
  Bottom w0.381: D30.4 v1(63.37,100.71) D25.4 ; D25#2.4 v1(122.05,51.69) D30#2.4
/C5G: length 160.3
  Top w0.229: U5.5 65.75,25.4 67.02,24.13 J6.4 ; U5#2.5 144.49,83.82 145.76,82.55 J6#2.4
  Top w0.381: D29.3 63.14,99.85 82.13,99.85 82.62,100.33 J2#4.4 ; D29#2.3 122.28,52.55 103.29,52.55 102.8,52.07 J2#3.4
  Bottom w0.381: D30.3 D25.3 ; D30#2.3 D25#2.3
/C5R: length 171.7
  Top w0.229: J6.3 82.62,21.59 81.6,20.57 67.56,20.57 65.28,22.86 U5.4 ; J6#2.3 161.36,80.01 160.34,78.99 146.3,78.99 144.02,81.28 U5#2.4
  Top w0.381: v1(58.55,94.39) 80.42,94.39 J2#4.3 ; 58.55,97.65 D29.1 ; v1(126.87,58.01) 105,58.01 J2#3.3 ; 126.87,54.75 D29#2.1
  Bottom w0.381: D25#2.1 D30#2.1 ; D25.1 D30.1
